# Altium PCB PCB1.PcbDoc (part 2 of 4) (continued)
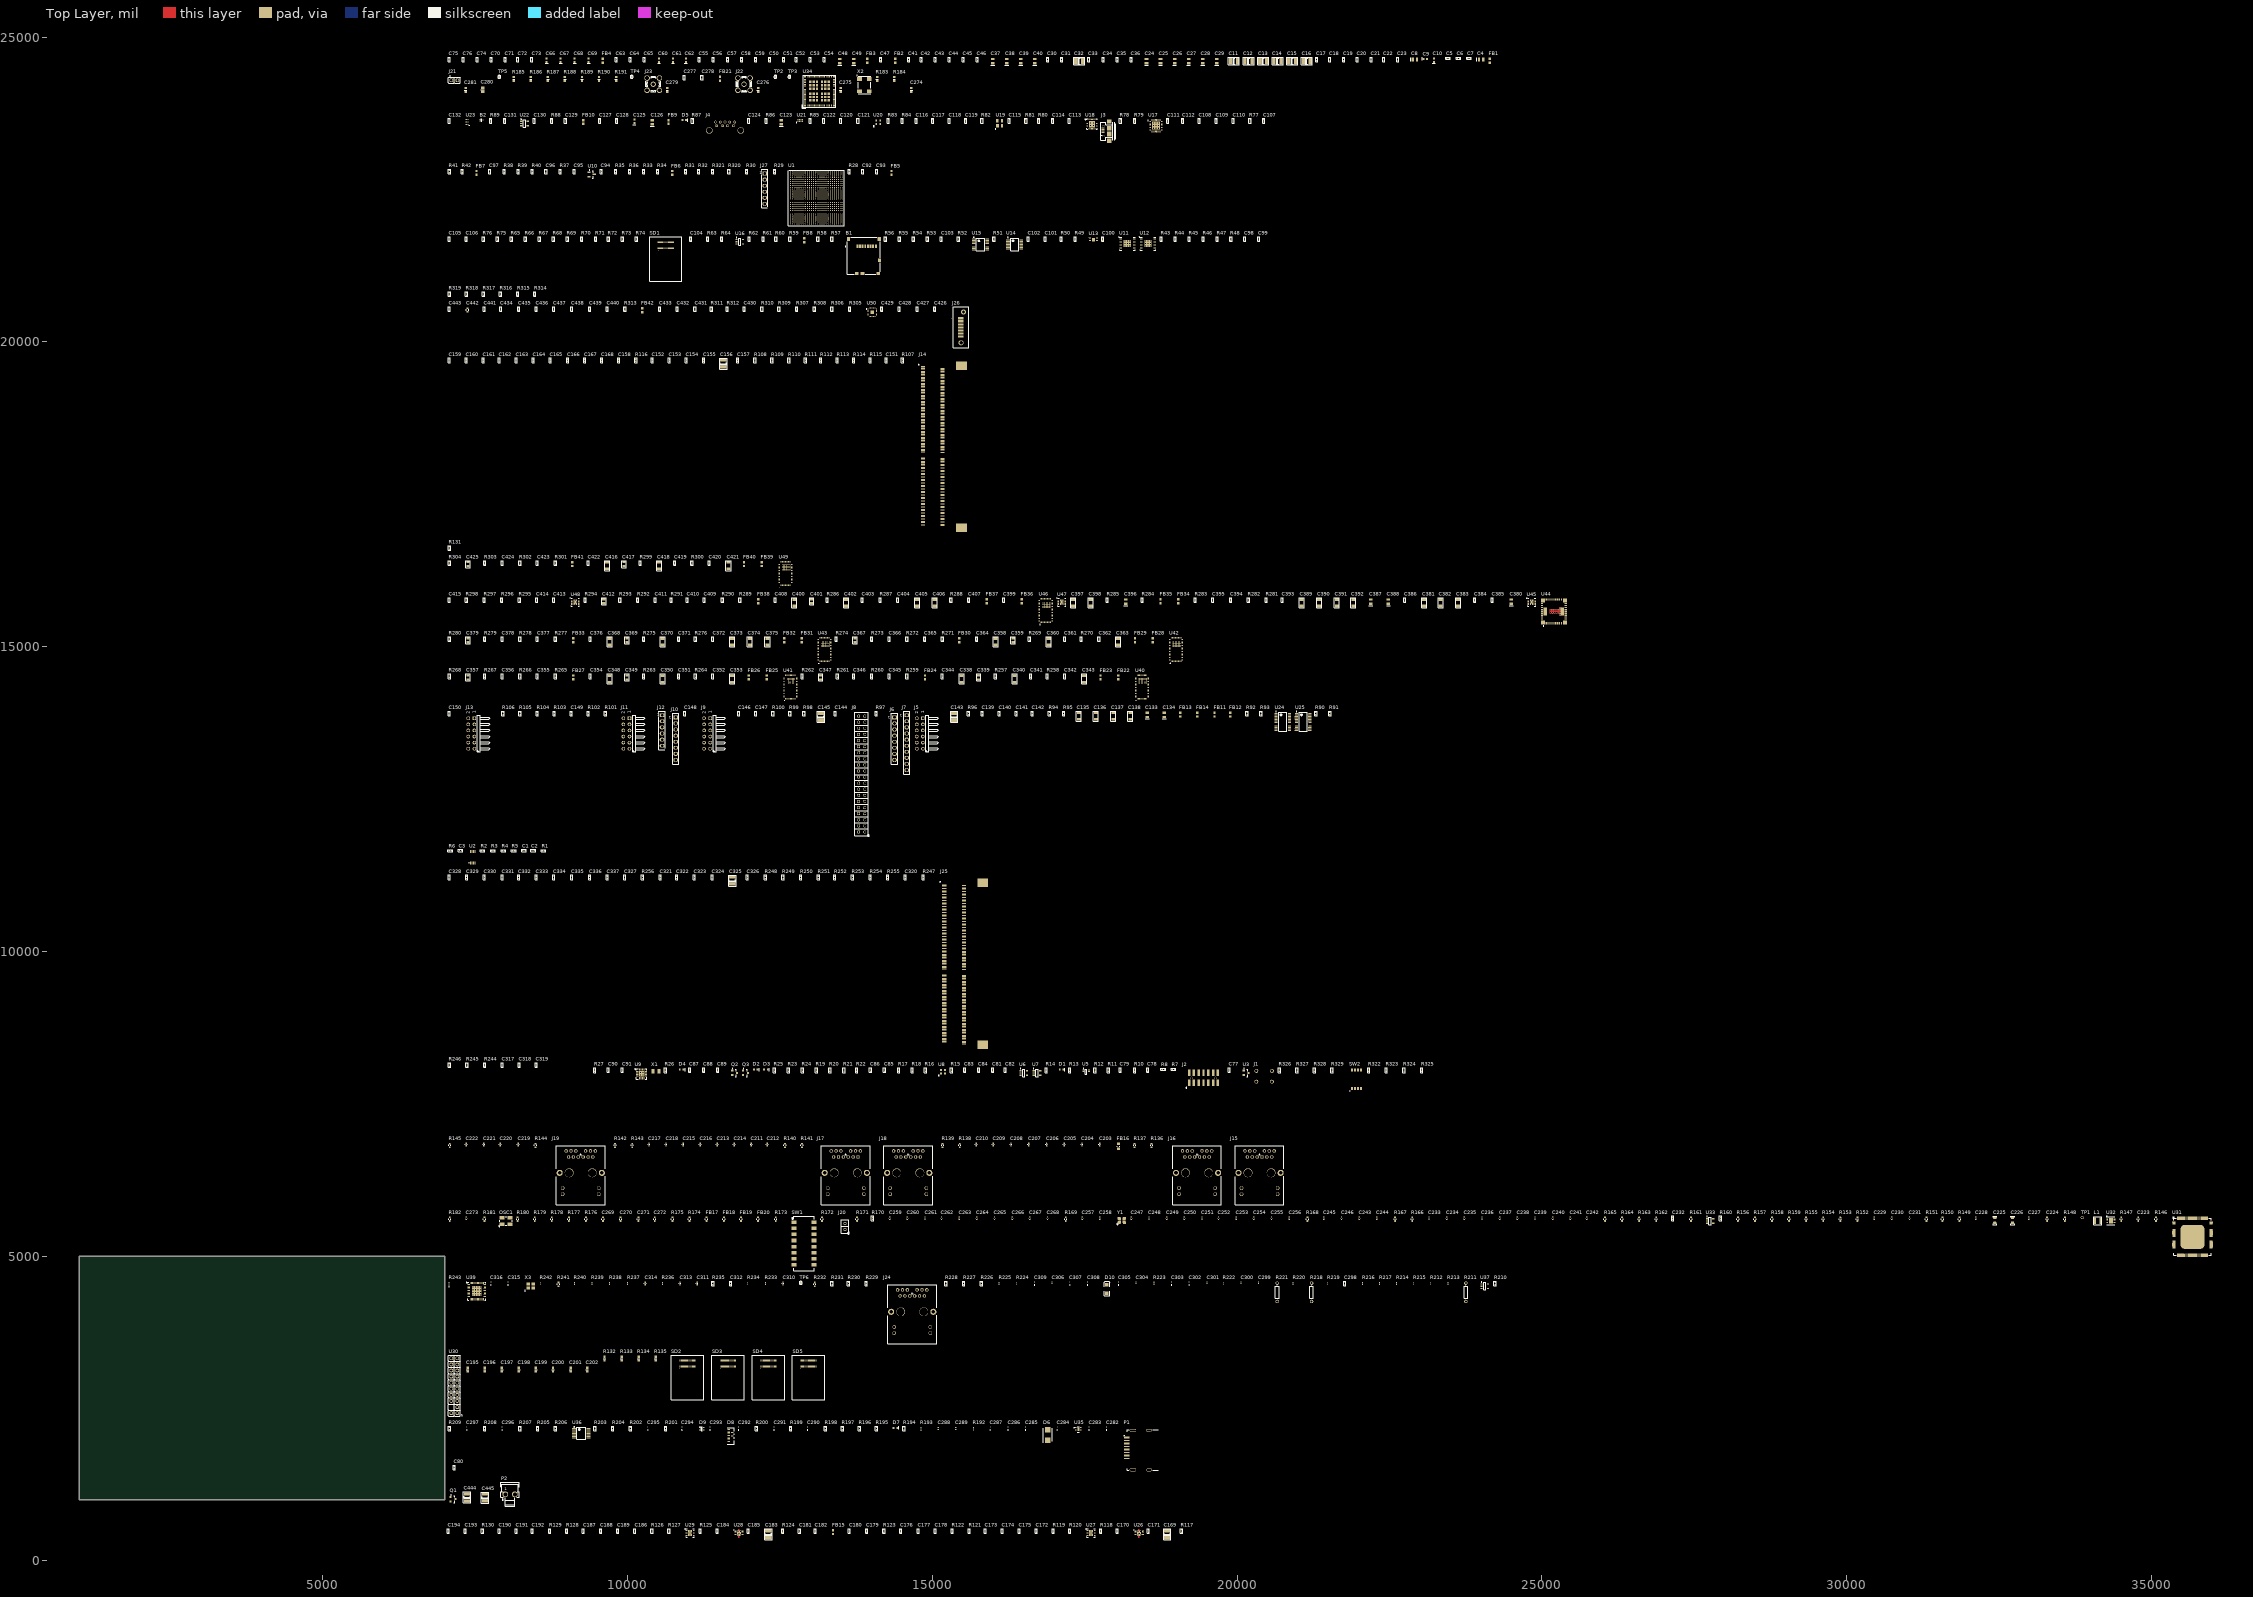
[diagram p0: Top Layer view]
## Footprints (in the part's own frame and the unit in brackets; to place one, negate y for a bottom-side part, rotate by r counter-clockwise, add the part's x,y. Pads: shape width x height; smd on the part's side, far side on the other; paste and mask are expansions set on the pad) (continued)
ASDMB [mm] "Abracon ASDMB Series Oscillators"
  rect 0.65x0.85 smd mask+0.05: 1(-0.825,-0.775) 2(0.825,-0.775) 3(0.825,0.775) 4(-0.825,0.775)
  silkscreen extent -2,-1.8 -1.6,-1.4, body extent -1.25,-1 1.25,1, height 0.86
AVX_TAN_F38_M_0603 [mm] "AVX F38 Series Tantalum Cap. M Package"
  rect 0.8x0.9 smd: 1(-0.7,0) 2(0.7,0)
  silkscreen extent -1.35,-0.6 -1.35,0.6, body extent -0.8,-0.42 0.8,0.43, height 0.8
AVX_TAN_F95_P_0905 [mm] "AVX F95 Series Tantalum Cap. P Package"
  rect 1x1.5 smd: 1(-0.85,0) 2(0.85,0)
  silkscreen extent -1.7,-0.8 -1.7,0.8, body extent -1.3,-0.63 0.9,0.63, height 1
AXIAL-0.3 [mm] "Axial Device, Thru-Hole; 2 Leads; 0.3 in Pin Spacing"
  round 1.4 hole 0.85: 1(-3.81,0) 2(3.81,0)
  silkscreen extent -2.77,-0.76 2.77,0.76
"BAT400D-7-F _SOT23" [mm] "SOT23, 3-Leads, Body 2.9x1.3 mm, Pitch 0.95 mm"
  rect 0.9x0.8 smd mask+0.05: 1(-1,0.95) 2(-1,-0.95) 3(1,0)
  silkscreen extent -1.02,-1.5 0.7,1.92, body extent -1.27,-1.46 1.27,1.46, height 1
BGA784x28 [mm] "UG1099 (v1.0)"
  round 0.4 smd mask+0.015: A1(-10.8,10.8) A2(-10,10.8) A3(-9.2,10.8) A4(-8.4,10.8) A5(-7.6,10.8) A6(-6.8,10.8) A7(-6,10.8) A8(-5.2,10.8) A9(-4.4,10.8) A10(-3.6,10.8) A11(-2.8,10.8) A12(-2,10.8) A13(-1.2,10.8) A14(-0.4,10.8) A15(0.4,10.8) A16(1.2,10.8) A17(2,10.8) A18(2.8,10.8) A19(3.6,10.8) A20(4.4,10.8) A21(5.2,10.8) A22(6,10.8) A23(6.8,10.8) A24(7.6,10.8) A25(8.4,10.8) A26(9.2,10.8) A27(10,10.8) A28(10.8,10.8) AA1(-10.8,-5.2) AA2(-10,-5.2) AA3(-9.2,-5.2) AA4(-8.4,-5.2) AA5(-7.6,-5.2) AA6(-6.8,-5.2) AA7(-6,-5.2) AA8(-5.2,-5.2) AA9(-4.4,-5.2) AA10(-3.6,-5.2) AA11(-2.8,-5.2) AA12(-2,-5.2) AA13(-1.2,-5.2) AA14(-0.4,-5.2) AA15(0.4,-5.2) AA16(1.2,-5.2) AA17(2,-5.2) AA18(2.8,-5.2) AA19(3.6,-5.2) AA20(4.4,-5.2) AA21(5.2,-5.2) AA22(6,-5.2) AA23(6.8,-5.2) AA24(7.6,-5.2) AA25(8.4,-5.2) AA26(9.2,-5.2) AA27(10,-5.2) AA28(10.8,-5.2) AB1(-10.8,-6) AB2(-10,-6) AB3(-9.2,-6) AB4(-8.4,-6) AB5(-7.6,-6) AB6(-6.8,-6) AB7(-6,-6) AB8(-5.2,-6) AB9(-4.4,-6) AB10(-3.6,-6) AB11(-2.8,-6) AB12(-2,-6) AB13(-1.2,-6) AB14(-0.4,-6) AB15(0.4,-6) AB16(1.2,-6) AB17(2,-6) AB18(2.8,-6) AB19(3.6,-6) AB20(4.4,-6) AB21(5.2,-6) AB22(6,-6) AB23(6.8,-6) AB24(7.6,-6) AB25(8.4,-6) AB26(9.2,-6) AB27(10,-6) AB28(10.8,-6) AC1(-10.8,-6.8) AC2(-10,-6.8) AC3(-9.2,-6.8) AC4(-8.4,-6.8) AC5(-7.6,-6.8) AC6(-6.8,-6.8) AC7(-6,-6.8) AC8(-5.2,-6.8) AC9(-4.4,-6.8) AC10(-3.6,-6.8) AC11(-2.8,-6.8) AC12(-2,-6.8) AC13(-1.2,-6.8) AC14(-0.4,-6.8) AC15(0.4,-6.8) AC16(1.2,-6.8) AC17(2,-6.8) AC18(2.8,-6.8) AC19(3.6,-6.8) AC20(4.4,-6.8) AC21(5.2,-6.8) AC22(6,-6.8) AC23(6.8,-6.8) AC24(7.6,-6.8) AC25(8.4,-6.8) AC26(9.2,-6.8) AC27(10,-6.8) AC28(10.8,-6.8) AD1(-10.8,-7.6) AD2(-10,-7.6) AD3(-9.2,-7.6) AD4(-8.4,-7.6) AD5(-7.6,-7.6) AD6(-6.8,-7.6) AD7(-6,-7.6) AD8(-5.2,-7.6) AD9(-4.4,-7.6) AD10(-3.6,-7.6) AD11(-2.8,-7.6) AD12(-2,-7.6) AD13(-1.2,-7.6) AD14(-0.4,-7.6) AD15(0.4,-7.6) AD16(1.2,-7.6) AD17(2,-7.6) AD18(2.8,-7.6) AD19(3.6,-7.6) AD20(4.4,-7.6) AD21(5.2,-7.6) AD22(6,-7.6) AD23(6.8,-7.6) AD24(7.6,-7.6) AD25(8.4,-7.6) AD26(9.2,-7.6) AD27(10,-7.6) AD28(10.8,-7.6) AE1(-10.8,-8.4) AE2(-10,-8.4) AE3(-9.2,-8.4) AE4(-8.4,-8.4) AE5(-7.6,-8.4) AE6(-6.8,-8.4) AE7(-6,-8.4) AE8(-5.2,-8.4) AE9(-4.4,-8.4) AE10(-3.6,-8.4) AE11(-2.8,-8.4) AE12(-2,-8.4) AE13(-1.2,-8.4) AE14(-0.4,-8.4) AE15(0.4,-8.4) AE16(1.2,-8.4) AE17(2,-8.4) AE18(2.8,-8.4) AE19(3.6,-8.4) AE20(4.4,-8.4) AE21(5.2,-8.4) AE22(6,-8.4) AE23(6.8,-8.4) AE24(7.6,-8.4) AE25(8.4,-8.4) AE26(9.2,-8.4) AE27(10,-8.4) AE28(10.8,-8.4) AF1(-10.8,-9.2) AF2(-10,-9.2) AF3(-9.2,-9.2) AF4(-8.4,-9.2) AF5(-7.6,-9.2) AF6(-6.8,-9.2) AF7(-6,-9.2) AF8(-5.2,-9.2) AF9(-4.4,-9.2) AF10(-3.6,-9.2) AF11(-2.8,-9.2) AF12(-2,-9.2) AF13(-1.2,-9.2) AF14(-0.4,-9.2) AF15(0.4,-9.2) AF16(1.2,-9.2) AF17(2,-9.2) AF18(2.8,-9.2) AF19(3.6,-9.2) AF20(4.4,-9.2) AF21(5.2,-9.2) AF22(6,-9.2) AF23(6.8,-9.2) AF24(7.6,-9.2) AF25(8.4,-9.2) AF26(9.2,-9.2) AF27(10,-9.2) AF28(10.8,-9.2) AG1(-10.8,-10) AG2(-10,-10) AG3(-9.2,-10) AG4(-8.4,-10) AG5(-7.6,-10) AG6(-6.8,-10) AG7(-6,-10) AG8(-5.2,-10) AG9(-4.4,-10) AG10(-3.6,-10) AG11(-2.8,-10) AG12(-2,-10) AG13(-1.2,-10) AG14(-0.4,-10) AG15(0.4,-10) AG16(1.2,-10) AG17(2,-10) AG18(2.8,-10) AG19(3.6,-10) AG20(4.4,-10) AG21(5.2,-10) AG22(6,-10) AG23(6.8,-10) AG24(7.6,-10) AG25(8.4,-10) AG26(9.2,-10) AG27(10,-10) AG28(10.8,-10) AH1(-10.8,-10.8) AH2(-10,-10.8) AH3(-9.2,-10.8) AH4(-8.4,-10.8) AH5(-7.6,-10.8) AH6(-6.8,-10.8) AH7(-6,-10.8) AH8(-5.2,-10.8) AH9(-4.4,-10.8) AH10(-3.6,-10.8) AH11(-2.8,-10.8) AH12(-2,-10.8) AH13(-1.2,-10.8) AH14(-0.4,-10.8) AH15(0.4,-10.8) AH16(1.2,-10.8) AH17(2,-10.8) AH18(2.8,-10.8) AH19(3.6,-10.8) AH20(4.4,-10.8) AH21(5.2,-10.8) AH22(6,-10.8) AH23(6.8,-10.8) AH24(7.6,-10.8) AH25(8.4,-10.8) AH26(9.2,-10.8) AH27(10,-10.8) AH28(10.8,-10.8) B1(-10.8,10) B2(-10,10) B3(-9.2,10) B4(-8.4,10) B5(-7.6,10) B6(-6.8,10) B7(-6,10) B8(-5.2,10) B9(-4.4,10) B10(-3.6,10) B11(-2.8,10) B12(-2,10) B13(-1.2,10) B14(-0.4,10) B15(0.4,10) B16(1.2,10) B17(2,10) B18(2.8,10) B19(3.6,10) B20(4.4,10) B21(5.2,10) B22(6,10) B23(6.8,10) B24(7.6,10) B25(8.4,10) B26(9.2,10) B27(10,10) B28(10.8,10) C1(-10.8,9.2) C2(-10,9.2) C3(-9.2,9.2) C4(-8.4,9.2) C5(-7.6,9.2) C6(-6.8,9.2) C7(-6,9.2) C8(-5.2,9.2) C9(-4.4,9.2) C10(-3.6,9.2) C11(-2.8,9.2) C12(-2,9.2) C13(-1.2,9.2) C14(-0.4,9.2) C15(0.4,9.2) C16(1.2,9.2) C17(2,9.2) C18(2.8,9.2) C19(3.6,9.2) C20(4.4,9.2) C21(5.2,9.2) C22(6,9.2) C23(6.8,9.2) C24(7.6,9.2) C25(8.4,9.2) C26(9.2,9.2) C27(10,9.2) C28(10.8,9.2) D1(-10.8,8.4) D2(-10,8.4) D3(-9.2,8.4) D4(-8.4,8.4) D5(-7.6,8.4) D6(-6.8,8.4) D7(-6,8.4) D8(-5.2,8.4) D9(-4.4,8.4) D10(-3.6,8.4) D11(-2.8,8.4) D12(-2,8.4) D13(-1.2,8.4) D14(-0.4,8.4) D15(0.4,8.4) D16(1.2,8.4) D17(2,8.4) D18(2.8,8.4) D19(3.6,8.4) D20(4.4,8.4) D21(5.2,8.4) D22(6,8.4) D23(6.8,8.4) D24(7.6,8.4) D25(8.4,8.4) D26(9.2,8.4) D27(10,8.4) D28(10.8,8.4) E1(-10.8,7.6) E2(-10,7.6) E3(-9.2,7.6) E4(-8.4,7.6) E5(-7.6,7.6) E6(-6.8,7.6) E7(-6,7.6) E8(-5.2,7.6) E9(-4.4,7.6) E10(-3.6,7.6) E11(-2.8,7.6) E12(-2,7.6) E13(-1.2,7.6) E14(-0.4,7.6) E15(0.4,7.6) E16(1.2,7.6) E17(2,7.6) E18(2.8,7.6) E19(3.6,7.6) E20(4.4,7.6) E21(5.2,7.6) E22(6,7.6) E23(6.8,7.6) E24(7.6,7.6) E25(8.4,7.6) E26(9.2,7.6) E27(10,7.6) E28(10.8,7.6) F1(-10.8,6.8) F2(-10,6.8) F3(-9.2,6.8) F4(-8.4,6.8) F5(-7.6,6.8) F6(-6.8,6.8) F7(-6,6.8) F8(-5.2,6.8) F9(-4.4,6.8) F10(-3.6,6.8) F11(-2.8,6.8) F12(-2,6.8) F13(-1.2,6.8) F14(-0.4,6.8) F15(0.4,6.8) F16(1.2,6.8) F17(2,6.8) F18(2.8,6.8) F19(3.6,6.8) F20(4.4,6.8) F21(5.2,6.8) F22(6,6.8) F23(6.8,6.8) F24(7.6,6.8) F25(8.4,6.8) F26(9.2,6.8) F27(10,6.8) F28(10.8,6.8) G1(-10.8,6) G2(-10,6) G3(-9.2,6) G4(-8.4,6) G5(-7.6,6) G6(-6.8,6) G7(-6,6) G8(-5.2,6) G9(-4.4,6) G10(-3.6,6) G11(-2.8,6) G12(-2,6) G13(-1.2,6) G14(-0.4,6) G15(0.4,6) G16(1.2,6) G17(2,6) G18(2.8,6) G19(3.6,6) G20(4.4,6) G21(5.2,6) G22(6,6) G23(6.8,6) G24(7.6,6) G25(8.4,6) G26(9.2,6) G27(10,6) G28(10.8,6) H1(-10.8,5.2) H2(-10,5.2) H3(-9.2,5.2) H4(-8.4,5.2) H5(-7.6,5.2) H6(-6.8,5.2) H7(-6,5.2) H8(-5.2,5.2) H9(-4.4,5.2) H10(-3.6,5.2) H11(-2.8,5.2) H12(-2,5.2) H13(-1.2,5.2) H14(-0.4,5.2) H15(0.4,5.2) H16(1.2,5.2) H17(2,5.2) H18(2.8,5.2) H19(3.6,5.2) H20(4.4,5.2) H21(5.2,5.2) H22(6,5.2) H23(6.8,5.2) H24(7.6,5.2) H25(8.4,5.2) H26(9.2,5.2) H27(10,5.2) H28(10.8,5.2) J1(-10.8,4.4) J2(-10,4.4) J3(-9.2,4.4) J4(-8.4,4.4) J5(-7.6,4.4) J6(-6.8,4.4) J7(-6,4.4) J8(-5.2,4.4) J9(-4.4,4.4) J10(-3.6,4.4) J11(-2.8,4.4) J12(-2,4.4) J13(-1.2,4.4) J14(-0.4,4.4) J15(0.4,4.4) J16(1.2,4.4) J17(2,4.4) J18(2.8,4.4) J19(3.6,4.4) J20(4.4,4.4) J21(5.2,4.4) J22(6,4.4) J23(6.8,4.4) J24(7.6,4.4) J25(8.4,4.4) J26(9.2,4.4) J27(10,4.4) J28(10.8,4.4) K1(-10.8,3.6) K2(-10,3.6) K3(-9.2,3.6) K4(-8.4,3.6) K5(-7.6,3.6) K6(-6.8,3.6) K7(-6,3.6) K8(-5.2,3.6) K9(-4.4,3.6) K10(-3.6,3.6) K11(-2.8,3.6) K12(-2,3.6) K13(-1.2,3.6) K14(-0.4,3.6) K15(0.4,3.6) K16(1.2,3.6) K17(2,3.6) K18(2.8,3.6) K19(3.6,3.6) K20(4.4,3.6) K21(5.2,3.6) K22(6,3.6) K23(6.8,3.6) K24(7.6,3.6) K25(8.4,3.6) K26(9.2,3.6) K27(10,3.6) K28(10.8,3.6) L1(-10.8,2.8) L2(-10,2.8) L3(-9.2,2.8) L4(-8.4,2.8) L5(-7.6,2.8) L6(-6.8,2.8) L7(-6,2.8) L8(-5.2,2.8) L9(-4.4,2.8) L10(-3.6,2.8) L11(-2.8,2.8) L12(-2,2.8) L13(-1.2,2.8) L14(-0.4,2.8) L15(0.4,2.8) L16(1.2,2.8) L17(2,2.8) L18(2.8,2.8) L19(3.6,2.8) L20(4.4,2.8) L21(5.2,2.8) L22(6,2.8) L23(6.8,2.8) L24(7.6,2.8) L25(8.4,2.8) L26(9.2,2.8) L27(10,2.8) L28(10.8,2.8) M1(-10.8,2) M2(-10,2) M3(-9.2,2) M4(-8.4,2) M5(-7.6,2) M6(-6.8,2) M7(-6,2) M8(-5.2,2) M9(-4.4,2) M10(-3.6,2) M11(-2.8,2) M12(-2,2) M13(-1.2,2) M14(-0.4,2) M15(0.4,2) M16(1.2,2) M17(2,2) M18(2.8,2) M19(3.6,2) M20(4.4,2) M21(5.2,2) M22(6,2) M23(6.8,2) M24(7.6,2) M25(8.4,2) M26(9.2,2) M27(10,2) M28(10.8,2) N1(-10.8,1.2) N2(-10,1.2) N3(-9.2,1.2) N4(-8.4,1.2) N5(-7.6,1.2) N6(-6.8,1.2) N7(-6,1.2) N8(-5.2,1.2) N9(-4.4,1.2) N10(-3.6,1.2) N11(-2.8,1.2) N12(-2,1.2) N13(-1.2,1.2) N14(-0.4,1.2) N15(0.4,1.2) N16(1.2,1.2) N17(2,1.2) N18(2.8,1.2) N19(3.6,1.2) N20(4.4,1.2) N21(5.2,1.2) N22(6,1.2) N23(6.8,1.2) N24(7.6,1.2) N25(8.4,1.2) N26(9.2,1.2) N27(10,1.2) N28(10.8,1.2) P1(-10.8,0.4) P2(-10,0.4) P3(-9.2,0.4) P4(-8.4,0.4) P5(-7.6,0.4) P6(-6.8,0.4) P7(-6,0.4) P8(-5.2,0.4) P9(-4.4,0.4) P10(-3.6,0.4) P11(-2.8,0.4) P12(-2,0.4) P13(-1.2,0.4) P14(-0.4,0.4) P15(0.4,0.4) P16(1.2,0.4) P17(2,0.4) P18(2.8,0.4) P19(3.6,0.4) P20(4.4,0.4) P21(5.2,0.4) P22(6,0.4) P23(6.8,0.4) P24(7.6,0.4) P25(8.4,0.4) P26(9.2,0.4) P27(10,0.4) P28(10.8,0.4) R1(-10.8,-0.4) R2(-10,-0.4) R3(-9.2,-0.4) R4(-8.4,-0.4) R5(-7.6,-0.4) R6(-6.8,-0.4) R7(-6,-0.4) R8(-5.2,-0.4) R9(-4.4,-0.4) R10(-3.6,-0.4) R11(-2.8,-0.4) R12(-2,-0.4) R13(-1.2,-0.4) R14(-0.4,-0.4) R15(0.4,-0.4) R16(1.2,-0.4) R17(2,-0.4) R18(2.8,-0.4) R19(3.6,-0.4) R20(4.4,-0.4) R21(5.2,-0.4) R22(6,-0.4) R23(6.8,-0.4) R24(7.6,-0.4) R25(8.4,-0.4) R26(9.2,-0.4) R27(10,-0.4) R28(10.8,-0.4) T1(-10.8,-1.2) T2(-10,-1.2) T3(-9.2,-1.2) T4(-8.4,-1.2) T5(-7.6,-1.2) T6(-6.8,-1.2) T7(-6,-1.2) T8(-5.2,-1.2) T9(-4.4,-1.2) T10(-3.6,-1.2) T11(-2.8,-1.2) T12(-2,-1.2) T13(-1.2,-1.2) T14(-0.4,-1.2) T15(0.4,-1.2) T16(1.2,-1.2) T17(2,-1.2) T18(2.8,-1.2) T19(3.6,-1.2) T20(4.4,-1.2) T21(5.2,-1.2) T22(6,-1.2) T23(6.8,-1.2) T24(7.6,-1.2) T25(8.4,-1.2) T26(9.2,-1.2) T27(10,-1.2) T28(10.8,-1.2) U1(-10.8,-2) U2(-10,-2) U3(-9.2,-2) U4(-8.4,-2) U5(-7.6,-2) U6(-6.8,-2) U7(-6,-2) U8(-5.2,-2) U9(-4.4,-2) U10(-3.6,-2) U11(-2.8,-2) U12(-2,-2) U13(-1.2,-2) U14(-0.4,-2) U15(0.4,-2) U16(1.2,-2) U17(2,-2) U18(2.8,-2) U19(3.6,-2) U20(4.4,-2) U21(5.2,-2) U22(6,-2) U23(6.8,-2) U24(7.6,-2) U25(8.4,-2) U26(9.2,-2) U27(10,-2) U28(10.8,-2) V1(-10.8,-2.8) V2(-10,-2.8) V3(-9.2,-2.8) V4(-8.4,-2.8) V5(-7.6,-2.8) V6(-6.8,-2.8) V7(-6,-2.8) V8(-5.2,-2.8) V9(-4.4,-2.8) V10(-3.6,-2.8) V11(-2.8,-2.8) V12(-2,-2.8) V13(-1.2,-2.8) V14(-0.4,-2.8) V15(0.4,-2.8) V16(1.2,-2.8) V17(2,-2.8) V18(2.8,-2.8) V19(3.6,-2.8) V20(4.4,-2.8) V21(5.2,-2.8) V22(6,-2.8) V23(6.8,-2.8) V24(7.6,-2.8) V25(8.4,-2.8) V26(9.2,-2.8) V27(10,-2.8) V28(10.8,-2.8) W1(-10.8,-3.6) W2(-10,-3.6) W3(-9.2,-3.6) W4(-8.4,-3.6) W5(-7.6,-3.6) W6(-6.8,-3.6) W7(-6,-3.6) W8(-5.2,-3.6) W9(-4.4,-3.6) W10(-3.6,-3.6) W11(-2.8,-3.6) W12(-2,-3.6) W13(-1.2,-3.6) W14(-0.4,-3.6) W15(0.4,-3.6) W16(1.2,-3.6) W17(2,-3.6) W18(2.8,-3.6) W19(3.6,-3.6) W20(4.4,-3.6) W21(5.2,-3.6) W22(6,-3.6) W23(6.8,-3.6) W24(7.6,-3.6) W25(8.4,-3.6) W26(9.2,-3.6) W27(10,-3.6) W28(10.8,-3.6) Y1(-10.8,-4.4) Y2(-10,-4.4) Y3(-9.2,-4.4) Y4(-8.4,-4.4) Y5(-7.6,-4.4) Y6(-6.8,-4.4) Y7(-6,-4.4) Y8(-5.2,-4.4) Y9(-4.4,-4.4) Y10(-3.6,-4.4) Y11(-2.8,-4.4) Y12(-2,-4.4) Y13(-1.2,-4.4) Y14(-0.4,-4.4) Y15(0.4,-4.4) Y16(1.2,-4.4) Y17(2,-4.4) Y18(2.8,-4.4) Y19(3.6,-4.4) Y20(4.4,-4.4) Y21(5.2,-4.4) Y22(6,-4.4) Y23(6.8,-4.4) Y24(7.6,-4.4) Y25(8.4,-4.4) Y26(9.2,-4.4) Y27(10,-4.4) Y28(10.8,-4.4)
  silkscreen extent -11.6,-11.6 11.6,11.6, body extent -11.5,-11.5 11.5,11.5, height 3.52
"CAP 0402ZD106" [mm]
  rect 0.5x0.6 smd mask+0.05: 1(-0.45,0) 2(0.45,0)
  body extent -0.5,-0.25 0.5,0.25, height 0.56
CAP_0603 [mil]
  rect 12x13 smd paste+0 mask+0: 1(-14.5,0) 2(14.5,0)
  silkscreen extent -37,-2 -33,2, body extent -13,-6 13,7, height 13
CAP_C_0402 [mm] "Chip Capacitor 2-Leads, Body 1.6x0.8mm, IPC Medium Density"
  rrect50% 0.5x0.56 smd: 1(-0.53,0) 2(0.53,0)
  silkscreen extent -0.1,-0.35 0.1,0.35, body extent -0.5,-0.25 0.5,0.25, height 0.49
CAP_C_0603 [mm] "Chip Capacitor 2-Leads, Body 1.6x0.8mm, IPC Medium Density"
  rrect50% 0.7x0.8 smd: 1(-0.75,0) 2(0.75,0)
  silkscreen extent -0.23,-0.48 0.23,0.48, body extent -0.8,-0.4 0.8,0.4, height 0.79
CAP_C_0805 [mil] "Chip Capacitor 2-Leads, Body 2.0x1.0mm, IPC Medium Density"
  rrect50% 40.16x50 smd: 1(-40,0) 2(40,0)
  silkscreen extent -70,-35 70,35, body extent -69,-34 69,34, height 23
CAPC0603X33N [mm]
  rect 0.46x0.42 smd: 1(-0.33,0) 2(0.33,0)
  body extent -0.3,-0.15 0.3,0.15, height 0.33
CAPC1005L_0402 [mm] "Chip Capacitor, Body 1.0x0.5mm, IPC High Density"
  rect 0.6x0.5 smd mask+0.05: 1(-0.5,0) 2(0.5,0)
  silkscreen extent -0.96,-0.42 0.96,0.42, body extent -0.5,-0.25 0.5,0.25, height 0.5
CAPC1608X87N [mm] "Chip Capacitor, Body 1.6x0.8mm IPC Medium Density"
  rect 0.95x1 smd: 1(-0.8,0) 2(0.8,0)
  silkscreen extent 0,-0.5 0,0.5, body extent -0.87,-0.47 0.88,0.48, height 0.87
CAPC2012L_0805 [mm] "Chip Capacitor, Body 2.0x1.3mm, IPC High Density"
  rect 0.9x1.4 smd: 1(-0.85,0) 2(0.85,0)
  silkscreen extent -1.47,-0.88 1.47,0.88, body extent -1.13,-0.73 1.13,0.73, height 1.15
CAPC2012X135N [mm] "Chip Capacitor, Body 2.0x1.25mm, IPC Medium Density"
  rect 1.05x1.4 smd: 1(-0.9,0) 2(0.9,0)
  silkscreen extent 0,-0.7 0,0.7, body extent -1.05,-0.67 1.05,0.68, height 1.25
CAPC3216L_1206 [mm] "Chip Capacitor, Body 3.2x1.6mm, IPC High Density"
  rect 1.1x1.7 smd: 1(-1.35,0) 2(1.35,0)
  silkscreen extent -2.1,-1.05 2.1,1.05, body extent -1.7,-0.9 1.7,0.9, height 1.8
CAPC3225N_1210 [mm] "Chip Capacitor, Body 3.2x2.5mm, IPC Medium Density"
  rect 1.3x2.7 smd: 1(-1.45,0) 2(1.45,0)
  silkscreen extent -2.3,-1.55 2.3,1.55, body extent -1.7,-1.35 1.7,1.35, height 2.7
COMATEL_385.0358.1.02.400 [mm] "2 Contacts Straight Strip Header Pitch 2.54mm L=6.3mm ''Mini-Wire-Wrap''"
  round 1.6 hole 0.9: 1(0,0) 2(2.54,0)
  silkscreen extent -1.27,-1.23 3.81,1.93, body extent -1.27,-1.22 3.81,1.23, height 8
CON_MODULAR_RJ45_TH_RA_RJMG2012211A0FR [mm]
  round 2.54 hole 1.57: 0(-8.79,-7.62) 0(8.79,-7.62)
  round 3.683 hole 3.4: 0(-4.825,-7.62) 0(4.825,-7.62)
  round 1.422 hole 0.89: 1(5.075,-1.02) 2(3.045,-1.02) 3(1.015,-1.02) 4(-1.015,-1.02) 5(-3.045,-1.02) 6(-5.075,-1.02) 7(6.09,1.52) 8(4.06,1.52) 9(2.03,1.52) 10(-2.03,1.52) 11(-4.06,1.52) 12(-6.09,1.52)
  round 1.524 hole 1.27: 13(7.52,-13.97) 14(7.52,-16.51) 15(-7.52,-13.97) 16(-7.52,-16.51)
  silkscreen extent -10.15,-20.98 10.15,3.62
DBV0005A_N [mm] "SOT23, 5-Leads, Body 3.05x1.75mm, Pitch 0.95mm, IPC Medium Density"
  rect 1x0.55 smd: 1(-1.35,0.95) 2(-1.35,0) 3(-1.35,-0.95) 4(1.35,-0.95) 5(1.35,0.95)
  silkscreen extent -1.5,-1.55 0.5,1.92, body extent -1.42,-1.46 1.42,1.46, height 1.45
DCK0006A_N [mm] "SOT23, 6-Leads, Body 2.15x1.4mm, Pitch 0.65mm, IPC Medium Density"
  rect 0.85x0.35 smd mask+0.05: 1(-1.1,0.65) 2(-1.1,0) 3(-1.1,-0.65) 4(1.1,-0.65) 5(1.1,0) 6(1.1,0.65)
  silkscreen extent -1.25,-1.1 0.3,1.52, body extent -1.14,-1 1.14,1, height 1.1
DDR4_SODIMM_MATING [mm] "REF: TE 2309409-4"
  rect 0.3x1.75 smd paste+0.05 mask+0.05: 1(0,0) 2(-0.25,-8.2) 3(-0.5,0) 4(-0.75,-8.2) 5(-1,0) 6(-1.25,-8.2) 7(-1.5,0) 8(-1.75,-8.2) 9(-2,0) 10(-2.25,-8.2) 11(-2.5,0) 12(-2.75,-8.2) 13(-3,0) 14(-3.25,-8.2) 15(-3.5,0) 16(-3.75,-8.2) 17(-4,0) 18(-4.25,-8.2) 19(-4.5,0) 20(-4.75,-8.2) 21(-5,0) 22(-5.25,-8.2) 23(-5.5,0) 24(-5.75,-8.2) 25(-6,0) 26(-6.25,-8.2) 27(-6.5,0) 28(-6.75,-8.2) 29(-7,0) 30(-7.25,-8.2) 31(-7.5,0) 32(-7.75,-8.2) 33(-8,0) 34(-8.25,-8.2) 35(-8.5,0) 36(-8.75,-8.2) 37(-9,0) 38(-9.25,-8.2) 39(-9.5,0) 40(-9.75,-8.2) 41(-10,0) 42(-10.25,-8.2) 43(-10.5,0) 44(-10.75,-8.2) 45(-11,0) 46(-11.25,-8.2) 47(-11.5,0) 48(-11.75,-8.2) 49(-12,0) 50(-12.25,-8.2) 51(-12.5,0) 52(-12.75,-8.2) 53(-13,0) 54(-13.25,-8.2) 55(-13.5,0) 56(-13.75,-8.2) 57(-14,0) 58(-14.25,-8.2) 59(-14.5,0) 60(-14.75,-8.2) 61(-15,0) 62(-15.25,-8.2) 63(-15.5,0) 64(-15.75,-8.2) 65(-16,0) 66(-16.25,-8.2) 67(-16.5,0) 68(-16.75,-8.2) 69(-17,0) 70(-17.25,-8.2) 71(-17.5,0) 72(-17.75,-8.2) 73(-18,0) 74(-18.25,-8.2) 75(-18.5,0) 76(-18.75,-8.2) 77(-19,0) 78(-19.25,-8.2) 79(-19.5,0) 80(-19.75,-8.2) 81(-20,0) 82(-20.25,-8.2) 83(-20.5,0) 84(-20.75,-8.2) 85(-21,0) 86(-21.25,-8.2) 87(-21.5,0) 88(-21.75,-8.2) 89(-22,0) 90(-22.25,-8.2) 91(-22.5,0) 92(-22.75,-8.2) 93(-23,0) 94(-23.25,-8.2) 95(-23.5,0) 96(-23.75,-8.2) 97(-24,0) 98(-24.25,-8.2) 99(-24.5,0) 100(-24.75,-8.2) 101(-25,0) 102(-25.25,-8.2) 103(-25.5,0) 104(-25.75,-8.2) 105(-26,0) 106(-26.25,-8.2) 107(-26.5,0) 108(-26.75,-8.2) 109(-27,0) 110(-27.25,-8.2) 111(-27.5,0) 112(-27.75,-8.2) 113(-28,0) 114(-28.25,-8.2) 115(-28.5,0) 116(-28.75,-8.2) 117(-29,0) 118(-29.25,-8.2) 119(-29.5,0) 120(-29.75,-8.2) 121(-30,0) 122(-30.25,-8.2) 123(-30.5,0) 124(-30.75,-8.2) 125(-31,0) 126(-31.25,-8.2) 127(-31.5,0) 128(-31.75,-8.2) 129(-32,0) 130(-32.25,-8.2) 131(-32.5,0) 132(-32.75,-8.2) 133(-33,0) 134(-33.25,-8.2) 135(-33.5,0) 136(-33.75,-8.2) 137(-34,0) 138(-34.25,-8.2) 139(-34.5,0) 140(-34.75,-8.2) 141(-35,0) 142(-35.25,-8.2) 143(-35.5,0) 144(-35.75,-8.2) 145(-38,0) 146(-38.25,-8.2) 147(-38.5,0) 148(-38.75,-8.2) 149(-39,0) 150(-39.25,-8.2) 151(-39.5,0) 152(-39.75,-8.2) 153(-40,0) 154(-40.25,-8.2) 155(-40.5,0) 156(-40.75,-8.2) 157(-41,0) 158(-41.25,-8.2) 159(-41.5,0) 160(-41.75,-8.2) 161(-42,0) 162(-42.25,-8.2) 163(-42.5,0) 164(-42.75,-8.2) 165(-43,0) 166(-43.25,-8.2) 167(-43.5,0) 168(-43.75,-8.2) 169(-44,0) 170(-44.25,-8.2) 171(-44.5,0) 172(-44.75,-8.2) 173(-45,0) 174(-45.25,-8.2) 175(-45.5,0) 176(-45.75,-8.2) 177(-46,0) 178(-46.25,-8.2) 179(-46.5,0) 180(-46.75,-8.2) 181(-47,0) 182(-47.25,-8.2) 183(-47.5,0) 184(-47.75,-8.2) 185(-48,0) 186(-48.25,-8.2) 187(-48.5,0) 188(-48.75,-8.2) 189(-49,0) 190(-49.25,-8.2) 191(-49.5,0) 192(-49.75,-8.2) 193(-50,0) 194(-50.25,-8.2) 195(-50.5,0) 196(-50.75,-8.2) 197(-51,0) 198(-51.25,-8.2) 199(-51.5,0) 200(-51.75,-8.2) 201(-52,0) 202(-52.25,-8.2) 203(-52.5,0) 204(-52.75,-8.2) 205(-53,0) 206(-53.25,-8.2) 207(-53.5,0) 208(-53.75,-8.2) 209(-54,0) 210(-54.25,-8.2) 211(-54.5,0) 212(-54.75,-8.2) 213(-55,0) 214(-55.25,-8.2) 215(-55.5,0) 216(-55.75,-8.2) 217(-56,0) 218(-56.25,-8.2) 219(-56.5,0) 220(-56.75,-8.2) 221(-57,0) 222(-57.25,-8.2) 223(-57.5,0) 224(-57.75,-8.2) 225(-58,0) 226(-58.25,-8.2) 227(-58.5,0) 228(-58.75,-8.2) 229(-59,0) 230(-59.25,-8.2) 231(-59.5,0) 232(-59.75,-8.2) 233(-60,0) 234(-60.25,-8.2) 235(-60.5,0) 236(-60.75,-8.2) 237(-61,0) 238(-61.25,-8.2) 239(-61.5,0) 240(-61.75,-8.2) 241(-62,0) 242(-62.25,-8.2) 243(-62.5,0) 244(-62.75,-8.2) 245(-63,0) 246(-63.25,-8.2) 247(-63.5,0) 248(-63.75,-8.2) 249(-64,0) 250(-64.25,-8.2) 251(-64.5,0) 252(-64.75,-8.2) 253(-65,0) 254(-65.25,-8.2) 255(-65.5,0) 256(-65.75,-8.2) 257(-66,0) 258(-66.25,-8.2) 259(-66.5,0) 260(-66.75,-8.2)
  round 0 hole 1.1 unplated paste+0.05 mask+1.15: MH(-67.775,-4.1)
  round 0 hole 1.6 unplated paste+0.05 mask+1.65: MH(1.025,-4.1)
  rect 3.6x4.5 smd paste+0.05 mask+0.05: MP(-67.175,-16.1) MP(0.425,-16.1)
  silkscreen extent 0.68,1.57 0.92,1.82, body extent -69.9,-24.95 3.1,0.9, height 5.37
DFN-12_3x3 [mm] "DFN, 12 Leads, Body 3.0x3.0mm (max), Pitch 0.50mm, IPC Medium Density"
  rect 0.8x0.3 smd mask+0.051: 1(-1.5,1.25) 2(-1.5,0.75) 3(-1.5,0.25) 4(-1.5,-0.25) 5(-1.5,-0.75) 6(-1.5,-1.25) 7(1.5,-1.25) 8(1.5,-0.75) 9(1.5,-0.25) 10(1.5,0.25) 11(1.5,0.75) 12(1.5,1.25)
  rect 1.7x2.4 smd paste-0.85 mask+0.051: 13(0,0)
  silkscreen extent -1.85,-1.65 1.65,1.9, body extent -1.52,-1.5 1.52,1.5, height 0.91
DIODES_SOT23 [mm] "SOT23, 3-Leads, Body 2.9x1.3 mm, Pitch 0.95 mm"
  rect 0.9x0.8 smd mask+0.05: D(1,0) G(-1,0.95) S(-1,-0.95)
  silkscreen extent -1.02,-1.5 0.7,1.92, body extent -1.27,-1.46 1.27,1.46, height 1
DIOM5436X247N [mm] "DIODE SCHOTTKY 40V 2A SMB"
  rect 2.25x2.15 smd: 1(-2.2,0) 2(2.2,0)
  silkscreen extent -3.27,-1.81 2.7,1.81
DRC_S-PVSON-N10 [mm] "TI 3mmx3mm DRC S-PVSON-N10 Package"
  oval 0.85x0.28 smd paste-0.025 mask+0.07: 1(-1.475,1) 2(-1.475,0.5) 3(-1.475,0) 4(-1.475,-0.5) 5(-1.475,-1) 6(1.475,-1) 7(1.475,-0.5) 8(1.475,0) 9(1.475,0.5) 10(1.475,1)
  rect 1.65x2.4 smd paste-5 mask+0.05: 11(0,0)
  Top Layer region: -0.39,-1.9 -0.11,-1.9 -0.11,1.9 -0.39,1.9
  Top Layer region: 0.39,1.9 0.11,1.9 0.11,-1.9 0.39,-1.9
  silkscreen extent -2.35,1.35 -2.25,1.45, body extent -1.55,-1.55 1.55,1.55, height 1.01
DSM15 [mil] "TVS DIODE 5.5VWM 15SON"
  rect 43x12 smd: 1(-29.53,108.27) 2(-29.53,88.58) 3(-29.53,68.9) 4(-29.53,49.21) 5(-29.53,29.53) 6(-29.53,9.84) 7(-29.53,-9.84) 8(-29.53,-29.53) 9(-29.53,-49.21) 10(-29.53,-68.9) 11(-29.53,-88.58) 12(-29.53,-108.27) 13(29.53,-59.06) 14(29.53,0) 15(29.53,59.06)
  silkscreen extent -56,-135 56,135, body extent -51,-164 51,164, height 31
E-13.4X13.3-N100_0.75-TOP [mm]
  rect 0.75x0.75 smd mask+0.03: 1(0.675,0.675) 17(12.725,0.675) 33(12.725,12.625) 49(0.675,12.625)
  rect 0.4x0.75 smd mask+0.03: 2(1.8,0.675) 3(2.5,0.675) 4(3.2,0.675) 5(3.9,0.675) 6(4.6,0.675) 7(5.3,0.675) 8(6,0.675) 9(6.7,0.675) 10(7.4,0.675) 11(8.1,0.675) 12(8.8,0.675) 13(9.5,0.675) 14(10.2,0.675) 15(10.9,0.675) 16(11.6,0.675) 34(11.6,12.625) 35(10.9,12.625) 36(10.2,12.625) 37(9.5,12.625) 38(8.8,12.625) 39(8.1,12.625) 40(7.4,12.625) 41(6.7,12.625) 42(6,12.625) 43(5.3,12.625) 44(4.6,12.625) 45(3.9,12.625) 46(3.2,12.625) 47(2.5,12.625) 48(1.8,12.625)
  rect 0.75x0.4 smd mask+0.03: 18(12.725,1.75) 19(12.725,2.45) 20(12.725,3.15) 21(12.725,3.85) 22(12.725,4.55) 23(12.725,5.25) 24(12.725,5.95) 25(12.725,6.65) 26(12.725,7.35) 27(12.725,8.05) 28(12.725,8.75) 29(12.725,9.45) 30(12.725,10.15) 31(12.725,10.85) 32(12.725,11.55) 50(0.675,11.55) 51(0.675,10.85) 52(0.675,10.15) 53(0.675,9.45) 54(0.675,8.75) 55(0.675,8.05) 56(0.675,7.35) 57(0.675,6.65) 58(0.675,5.95) 59(0.675,5.25) 60(0.675,4.55) 61(0.675,3.85) 62(0.675,3.15) 63(0.675,2.45) 64(0.675,1.75)
  rect 1x1 smd mask+0.03: G1(2.85,2.8) G2(4.25,2.8) G3(5.65,2.8) G4(2.85,4.2) G5(4.25,4.2) G6(5.65,4.2) G7(2.85,5.6) G8(4.25,5.6) G9(5.65,5.6) G10(7.75,2.8) G11(9.15,2.8) G12(10.55,2.8) G13(7.75,4.2) G14(9.15,4.2) G15(10.55,4.2) G16(7.75,5.6) G17(9.15,5.6) G18(10.55,5.6) G19(2.85,7.7) G20(4.25,7.7) G21(5.65,7.7) G22(2.85,9.1) G23(4.25,9.1) G24(5.65,9.1) G25(2.85,10.5) G26(4.25,10.5) G27(5.65,10.5) G28(7.75,7.7) G29(9.15,7.7) G30(10.55,7.7) G31(7.75,9.1) G32(9.15,9.1) G33(10.55,9.1) G34(7.75,10.5) G35(9.15,10.5) G36(10.55,10.5)
  silkscreen extent -0.4,-0.4 13.4,13.3, body extent 0,0 13.33,13.33, height 2.1
GB042-34P-H10 [mm]
  rect 0.23x0.7 smd: 1(-3.2,-1.25) 2(-2.8,-1.25) 3(-2.4,-1.25) 4(-2,-1.25) 5(-1.6,-1.25) 6(-1.2,-1.25) 7(-0.8,-1.25) 8(-0.4,-1.25) 9(0,-1.25) 10(0.4,-1.25) 11(0.8,-1.25) 12(1.2,-1.25) 13(1.6,-1.25) 14(2,-1.25) 15(2.4,-1.25) 16(2.8,-1.25) 17(3.2,-1.25) 18(3.2,1.25) 19(2.8,1.25) 20(2.4,1.25) 21(2,1.25) 22(1.6,1.25) 23(1.2,1.25) 24(0.8,1.25) 25(0.4,1.25) 26(0,1.25) 27(-0.4,1.25) 28(-0.8,1.25) 29(-1.2,1.25) 30(-1.6,1.25) 31(-2,1.25) 32(-2.4,1.25) 33(-2.8,1.25) 34(-3.2,1.25)
  silkscreen extent -6.75,-15 6.75,3.5, body extent -6.78,-15.02 6.75,3.52, height 5.4
HDR2X6H [mm] "Connector; Header; 6x2 Position; Right Angle"
  rect 1.5x1.5 hole 0.9: 1(6.35,-1.27)
  round 1.5 hole 0.9: 2(6.35,1.27) 3(3.81,-1.27) 4(3.81,1.27) 5(1.27,-1.27) 6(1.27,1.27) 7(-1.27,-1.27) 8(-1.27,1.27) 9(-3.81,-1.27) 10(-3.81,1.27) 11(-6.35,-1.27) 12(-6.35,1.27)
  silkscreen extent -7.62,-7.62 7.62,-2.54, body extent -7.87,-11.31 7.87,1.47, height 4.98
Hdr_Female_1x6_2.54mm [mm] "Creator MM"
  rect 2x1.6 hole 1.1: 1(0,0)
  oval 2x1.6 hole 1.1: 2(0,-2.54) 3(0,-5.08) 4(0,-7.62) 5(0,-10.16) 6(0,-12.7)
  silkscreen extent -1.3,-14.37 1.3,1.67, body extent -1.25,-14.1 1.25,1.39, height 8.5
Hdr_Female_1x8_2.54mm [mm] "Creator MM"
  rect 2x1.6 hole 1.1: 1(0,0)
  oval 2x1.6 hole 1.1: 2(0,-2.54) 3(0,-5.08) 4(0,-7.62) 5(0,-10.16) 6(0,-12.7) 7(0,-15.24) 8(0,-17.78)
  silkscreen extent -1.3,-19.45 1.3,1.67, body extent -1.25,-19.19 1.25,1.38, height 8.5
Hdr_Female_1x10_2.54mm [mm] "Creator MM"
  rect 2x1.6 hole 1.1: 1(0,0)
  oval 2x1.6 hole 1.1: 2(0,-2.54) 3(0,-5.08) 4(0,-7.62) 5(0,-10.16) 6(0,-12.7) 7(0,-15.24) 8(0,-17.78) 9(0,-20.32) 10(0,-22.86)
  silkscreen extent -1.3,-24.53 1.3,1.67, body extent -1.25,-24.26 1.25,1.39, height 8.5
HDR_M_2.54_1x2 [mil] "Header Male Vertical 2 Way 2.54mm Pitch"
  oct 51x51 hole 36: 1(0,0)
  round 51 hole 36: 2(100,0)
  silkscreen extent -74,-74 160,57, body extent -50,-49 150,49, height 330
HDR_M_2.54_2x20 [mil] "Header Male Vertical Dual Row 20 Way 2.54mm Pitch"
  oct 51x51 hole 36: 1(0,0) 21(1000,0)
  round 51 hole 36: 2(0,100) 3(100,0) 4(100,100) 5(200,0) 6(200,100) 7(300,0) 8(300,100) 9(400,0) 10(400,100) 11(500,0) 12(500,100) 13(600,0) 14(600,100) 15(700,0) 16(700,100) 17(800,0) 18(800,100) 19(900,0) 20(900,100) 22(1000,100) 23(1100,0) 24(1100,100) 25(1200,0) 26(1200,100) 27(1300,0) 28(1300,100) 29(1400,0) 30(1400,100) 31(1500,0) 32(1500,100) 33(1600,0) 34(1600,100) 35(1700,0) 36(1700,100) 37(1800,0) 38(1800,100) 39(1900,0) 40(1900,100)
  silkscreen extent -74,-74 1960,160, body extent -50,-49 1950,149, height 330
"HUBER-SUHNER_82 SMA-50-0-41/133 NE" [mm] "50 Ohm SMA Straight PCB Jack"
  round 2.2 hole 1.5: 1(0,0)
  round 2.3 hole 1.6: 2(-2.54,-2.54) 2(-2.54,2.54) 2(2.54,-2.54) 2(2.54,2.54)
  silkscreen extent -3.2,-3.2 3.2,3.2, body extent -3.2,-3.2 3.2,3.2, height 9.5
IND_C_0603 [mm] "Chip Inductor 2-Leads, Body 1.6x0.8mm, IPC Medium Density"
  rrect50% 0.7x0.8 smd: 1(-0.75,0) 2(0.75,0)
  silkscreen extent -0.23,-0.48 0.23,0.48, body extent -1.33,-0.63 1.32,0.63, height 0.81
IND_C_0805 [mm] "Chip Inductor, 2-Leads, Body 2.0x1.3mm, IPC Medium Density"
  rrect20% 1x1.35 smd: 1(-1,0) 2(1,0)
  silkscreen extent -0.1,-0.58 0.1,0.58, body extent -1,-0.6 1,0.6, height 0.95
IND_TAI_NR_L3W3H1.5 [mm]
  rect 0.8x2.7 smd: 1(-1.1,0) 2(1.1,0)
  silkscreen extent -1.7,-1.7 1.7,1.7, body extent -1.5,-1.5 1.5,1.5, height 1.4
INDC1608N_0603 [mm] "Chip Inductor, Body 1.6x0.8mm, IPC Medium Density"
  rect 1x1 smd: 1(-0.8,0) 2(0.8,0)
  body extent -0.87,-0.48 0.87,0.48, height 0.71
LED0603BLUE [mm] "1.6x0.8mm LED"
  rect 0.8x0.8 smd: 1(-0.75,0) 2(0.75,0)
  silkscreen extent 1.45,-0.65 1.45,0.65, body extent -0.81,-0.4 0.81,0.4, height 0.6
LED0603GREEN [mm] "1.6x0.8mm LED"
  rect 0.8x0.8 smd: 1(-0.75,0) 2(0.75,0)
  silkscreen extent 1.45,-0.65 1.45,0.65, body extent -0.81,-0.4 0.81,0.4, height 0.6
LED0603RED [mm] "1.6x0.8mm LED"
  rect 0.8x0.8 smd: 1(-0.75,0) 2(0.75,0)
  silkscreen extent 1.45,-0.65 1.45,0.65, body extent -0.81,-0.4 0.81,0.4, height 0.6
LGA24_5P49V5935B000LTGI [mm] "IDT, IC CLOCK GENERATOR 24LGA, 4mmx4mm"
  rect 0.4x0.3 smd mask+0.05: 1(-1.8,1.25) 2(-1.8,0.75) 3(-1.8,0.25) 4(-1.8,-0.25) 5(-1.8,-0.75) 6(-1.8,-1.25) 13(1.8,-1.25) 14(1.8,-0.75) 15(1.8,-0.25) 16(1.8,0.25) 17(1.8,0.75) 18(1.8,1.25)
  rect 0.3x0.4 smd mask+0.05: 7(-1.25,-1.8) 8(-0.75,-1.8) 9(-0.25,-1.8) 10(0.25,-1.8) 11(0.75,-1.8) 12(1.25,-1.8) 19(1.25,1.8) 20(0.75,1.8) 21(0.25,1.8) 22(-0.25,1.8) 23(-0.75,1.8) 24(-1.25,1.8)
  rect 1.4x1.4 smd mask+0.05: 25(0,0)
  silkscreen extent -2.45,1.25 -2.35,1.35, body extent -2,-2 2,2, height 1.5